# KiCad board slime88.kicad_pcb (continued)
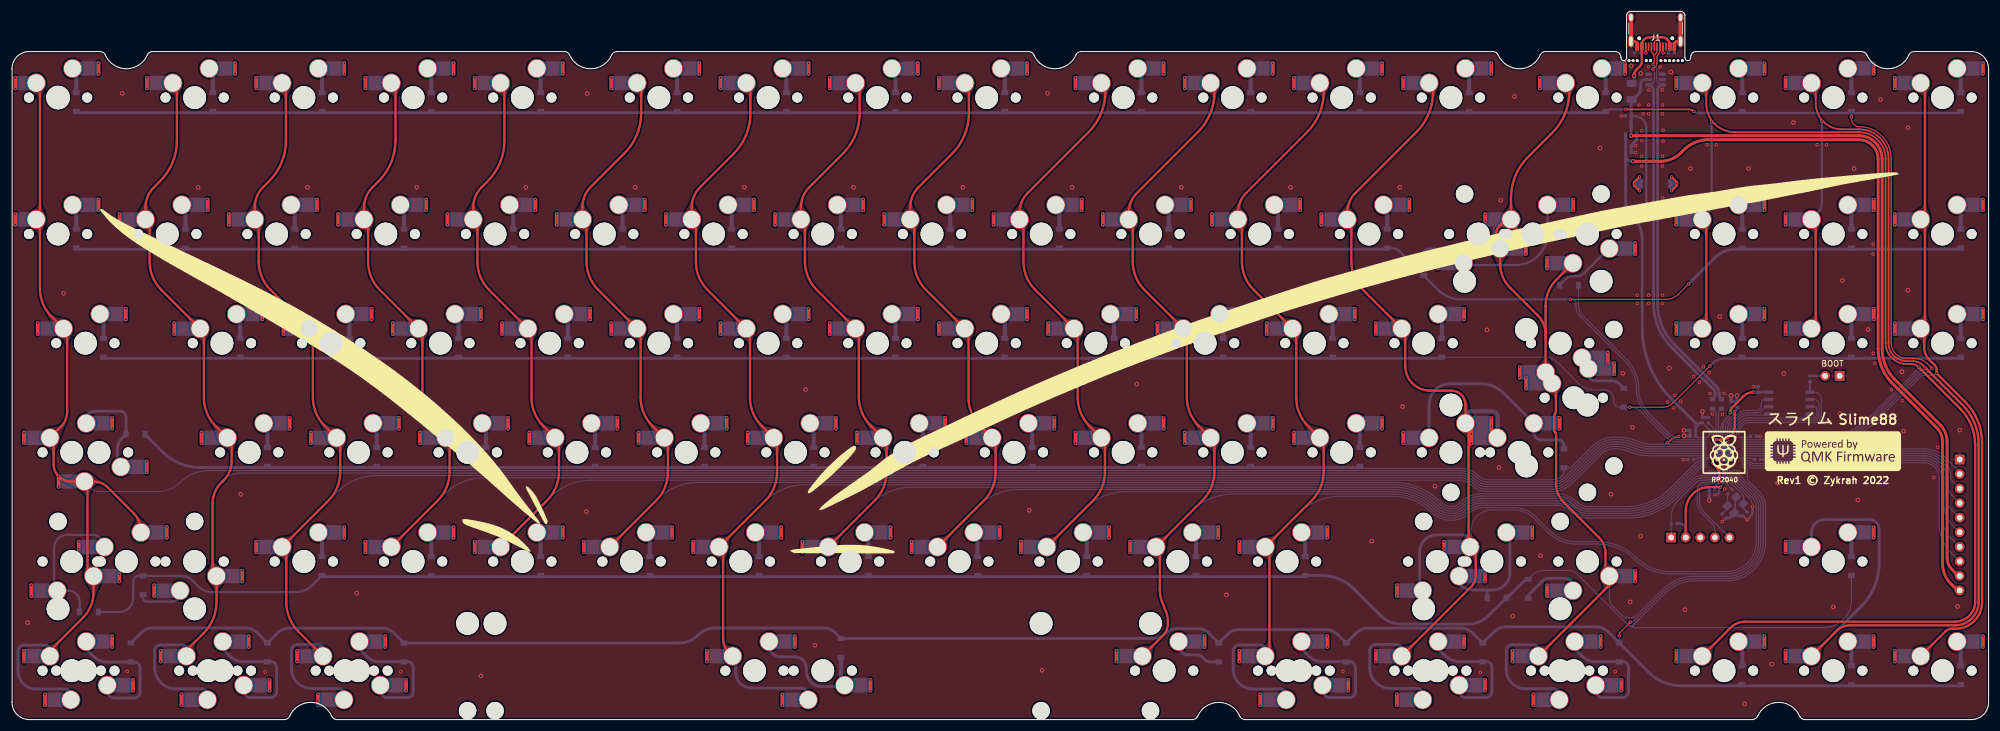
[diagram p0: board, top side]
## Copper pours and planes (outline as drawn; the poured copper is in the pictures) (continued)
COL12 on Top: 233.11,90.59 232.92,90.22 232.74,89.91 232.57,89.66 232.41,89.45 232.24,89.26 232.08,89.07 231.92,88.87 231.74,88.65 231.56,88.39 231.37,88.07 232.77,86.44 234.34,87.9 234.19,88.2 234.02,88.47 233.84,88.7 233.67,88.91 233.52,89.12 233.4,89.33 233.33,89.55 233.3,89.8 233.35,90.09 233.48,90.42
COL12 on Top: 243.15,65.02 243.17,65.45 243.22,65.81 243.31,66.12 243.41,66.38 243.52,66.62 243.64,66.86 243.76,67.11 243.86,67.38 243.93,67.7 243.99,68.09 242.04,68.98 241.22,67 241.46,66.8 241.69,66.63 241.91,66.48 242.11,66.34 242.29,66.2 242.44,66.04 242.57,65.86 242.66,65.63 242.72,65.36 242.75,65.02
COL12 on Bottom: 255.09,51.37 255.24,51.18 255.3,51.02 255.28,50.86 255.2,50.71 255.08,50.56 254.93,50.41 254.77,50.26 254.61,50.09 254.46,49.91 254.33,49.71 255.46,48.54 256.34,50.05 256.19,50.23 256.1,50.4 256.05,50.57 256.02,50.75 256,50.92 255.98,51.1 255.94,51.28 255.88,51.47 255.76,51.66 255.59,51.86
COL12 on Bottom: 258.74,52.47 258.72,52.09 258.67,51.78 258.59,51.52 258.49,51.29 258.36,51.09 258.22,50.9 258.07,50.7 257.9,50.49 257.73,50.24 257.56,49.95 258.97,48.34 260.53,49.82 260.37,50.13 260.22,50.4 260.07,50.63 259.93,50.83 259.79,51.04 259.68,51.25 259.58,51.48 259.5,51.75 259.45,52.08 259.44,52.47
COL12 on Bottom: 244.16,5.18 244.33,5.16 244.45,5.1 244.53,5.01 244.57,4.89 244.59,4.75 244.58,4.59 244.55,4.42 244.5,4.25 244.45,4.07 244.41,3.9 246.13,2.63 245.99,5.09 245.76,5.11 245.57,5.16 245.4,5.22 245.26,5.3 245.12,5.39 244.98,5.47 244.82,5.55 244.64,5.62 244.42,5.66 244.16,5.68
COL12 on Bottom: 255.81,50.07 255.81,50.28 255.82,50.45 255.84,50.6 255.86,50.74 255.89,50.86 255.92,50.98 255.99,51.23 256.02,51.37 256.06,51.54 255.15,52.1 254.62,51.17 254.8,50.97 254.87,50.88 254.93,50.8 254.99,50.71 255.03,50.61 255.06,50.5 255.09,50.38 255.1,50.24 255.11,50.07
COL12 on Bottom: 245.21,25.71 245.19,25.28 245.13,24.93 245.05,24.63 244.95,24.37 244.84,24.13 244.73,23.9 244.61,23.66 244.51,23.38 244.42,23.07 244.35,22.69 246.26,21.71 247.16,23.66 246.93,23.87 246.71,24.05 246.5,24.21 246.31,24.36 246.14,24.51 245.99,24.67 245.87,24.86 245.78,25.09 245.72,25.37 245.71,25.71
COL12 on Bottom: 256.65,50.8 256.65,50.6 256.64,50.42 256.62,50.28 256.6,50.14 256.57,50.02 256.54,49.91 256.46,49.66 256.42,49.52 256.38,49.35 257.27,48.76 257.83,49.68 257.66,49.89 257.59,49.98 257.53,50.07 257.47,50.16 257.43,50.26 257.4,50.36 257.37,50.49 257.36,50.63 257.35,50.8
COL12 on Bottom: 240.65,12.85 240.81,12.83 240.92,12.77 240.99,12.68 241.02,12.57 241.02,12.43 241,12.28 240.96,12.12 240.91,11.96 240.85,11.8 240.79,11.64 242.42,10.24 242.34,12.72 242.12,12.73 241.95,12.78 241.8,12.85 241.66,12.94 241.54,13.03 241.41,13.13 241.26,13.21 241.1,13.28 240.9,13.33 240.65,13.35
COL12 on Bottom: 252.47,31.99 252.65,31.96 252.78,31.9 252.85,31.8 252.89,31.67 252.9,31.51 252.88,31.34 252.83,31.15 252.78,30.96 252.67,30.59 254.38,29.3 254.25,31.76 254.02,31.79 253.83,31.84 253.67,31.92 253.53,32.02 253.4,32.13 253.26,32.23 253.11,32.33 252.94,32.41 252.73,32.47 252.47,32.49
COL12 on Bottom: 257.35,49.49 257.2,49.68 257.15,49.85 257.17,50.01 257.24,50.16 257.37,50.3 257.52,50.45 257.68,50.61 257.85,50.78 258,50.96 258.13,51.16 257,52.33 256.12,50.82 256.27,50.64 256.36,50.47 256.41,50.29 256.44,50.12 256.45,49.95 256.47,49.77 256.5,49.59 256.57,49.4 256.68,49.2 256.85,49
COL12 on Bottom: 255.24,54.15 254.98,54.13 254.76,54.07 254.59,53.98 254.44,53.87 254.3,53.75 254.17,53.63 254.03,53.53 253.87,53.44 253.68,53.38 253.45,53.36 253.19,50.92 255.09,51.92 255.05,52.12 255,52.33 254.94,52.54 254.88,52.75 254.84,52.93 254.83,53.1 254.85,53.24 254.92,53.35 255.05,53.42 255.24,53.45
COL12 on Bottom: 254.76,34.76 254.48,34.25 254.26,33.82 254.08,33.44 253.93,33.1 253.8,32.79 253.66,32.48 253.51,32.17 253.34,31.82 253.12,31.44 252.85,31 254.15,29.3 255.8,30.66 255.6,31.14 255.38,31.57 255.16,31.95 254.95,32.3 254.77,32.64 254.63,32.98 254.57,33.34 254.58,33.73 254.7,34.16 254.94,34.66
COL13 on Top: 259,84.68 259.02,85.01 259.11,85.26 259.26,85.44 259.47,85.56 259.71,85.64 259.99,85.67 260.3,85.68 260.62,85.67 260.95,85.64 261.28,85.62 262.15,87.58 259.74,87.2 259.72,86.87 259.64,86.6 259.51,86.37 259.34,86.17 259.17,85.99 258.99,85.8 258.83,85.59 258.7,85.34 258.62,85.04 258.6,84.66
COL13 on Top: 261.19,90.56 261.17,90.16 261.11,89.85 261.02,89.58 260.9,89.36 260.76,89.16 260.6,88.97 260.43,88.77 260.25,88.55 260.08,88.3 259.91,87.98 261.39,86.44 262.88,87.98 262.7,88.3 262.53,88.55 262.35,88.77 262.18,88.97 262.02,89.16 261.88,89.36 261.76,89.58 261.67,89.85 261.61,90.16 261.59,90.56
COL13 on Top: 267.22,61.56 267.22,61.16 267.19,60.83 267.15,60.54 267.1,60.29 267.05,60.06 267,59.84 266.96,59.6 266.92,59.34 266.89,59.04 266.88,58.69 269.09,58.08 269.15,60.22 268.9,60.31 268.67,60.39 268.45,60.47 268.25,60.55 268.07,60.64 267.92,60.75 267.8,60.89 267.7,61.06 267.65,61.29 267.62,61.56
COL13 on Top: 269.42,55.54 269.44,55.98 269.5,56.34 269.58,56.65 269.68,56.92 269.79,57.17 269.9,57.41 270.01,57.66 270.09,57.94 270.16,58.27 270.18,58.66 268.19,59.44 267.49,57.42 267.73,57.23 267.96,57.08 268.18,56.94 268.38,56.81 268.57,56.68 268.72,56.53 268.85,56.35 268.94,56.14 269,55.87 269.02,55.54
COL13 on Top: 267.22,63.89 267.2,63.5 267.14,63.18 267.05,62.91 266.93,62.69 266.79,62.49 266.63,62.3 266.46,62.11 266.29,61.89 266.11,61.63 265.94,61.32 267.42,59.77 268.91,61.31 268.74,61.62 268.56,61.88 268.39,62.1 268.22,62.3 268.06,62.49 267.92,62.69 267.8,62.91 267.71,63.18 267.65,63.5 267.62,63.89
COL13 on Top: 268.34,13.53 268.05,13.27 267.78,13.09 267.53,12.97 267.29,12.89 267.04,12.85 266.8,12.83 266.54,12.81 266.26,12.78 265.95,12.72 265.61,12.62 265.57,10.48 267.71,10.52 267.81,10.86 267.87,11.17 267.9,11.45 267.92,11.71 267.94,11.96 267.98,12.2 268.05,12.44 268.18,12.69 268.36,12.96 268.62,13.25
COL13 on Top: 261.93,84.81 261.91,84.47 261.82,84.21 261.66,84.02 261.46,83.89 261.21,83.82 260.92,83.78 260.61,83.77 260.28,83.78 259.94,83.8 259.61,83.83 258.72,81.88 261.13,82.25 261.16,82.59 261.24,82.86 261.38,83.09 261.55,83.29 261.74,83.48 261.92,83.67 262.09,83.88 262.23,84.13 262.31,84.44 262.33,84.82
COL13 on Top: 277.68,28.21 277.65,27.77 277.6,27.4 277.52,27.1 277.41,26.83 277.3,26.59 277.19,26.35 277.08,26.1 276.99,25.82 276.92,25.49 276.89,25.1 278.86,24.28 279.61,26.29 279.37,26.48 279.13,26.64 278.91,26.78 278.71,26.91 278.53,27.05 278.38,27.2 278.25,27.38 278.16,27.6 278.1,27.87 278.07,28.21
COL13 on Top: 259.9,78 259.79,78.48 259.76,78.89 259.78,79.25 259.86,79.56 259.99,79.85 260.15,80.12 260.34,80.41 260.54,80.72 260.76,81.06 260.97,81.47 259.49,83.01 258,81.47 258.21,81.04 258.4,80.68 258.56,80.36 258.71,80.08 258.84,79.8 258.97,79.51 259.1,79.2 259.23,78.83 259.37,78.4 259.52,77.89
COL13 on Top: 261.63,83.12 261.9,83.43 262.06,83.74 262.13,84.04 262.14,84.34 262.12,84.63 262.09,84.92 262.09,85.21 262.14,85.49 262.27,85.78 262.51,86.05 261.02,88 260.39,85.95 260.68,85.73 260.95,85.5 261.21,85.26 261.43,85.01 261.61,84.76 261.72,84.5 261.77,84.23 261.73,83.96 261.6,83.69 261.36,83.41
COL13 on Top: 271.61,107.83 271.69,108.25 271.78,108.6 271.88,108.89 271.98,109.15 272.09,109.38 272.19,109.61 272.29,109.85 272.38,110.12 272.47,110.43 272.54,110.81 270.6,111.84 269.82,109.84 270.06,109.65 270.29,109.48 270.51,109.33 270.71,109.19 270.89,109.05 271.04,108.89 271.15,108.7 271.22,108.48 271.25,108.22 271.22,107.89
COL13 on Top: 270,77.18 270.29,77.44 270.56,77.62 270.81,77.74 271.05,77.82 271.29,77.86 271.54,77.88 271.8,77.9 272.08,77.93 272.39,77.99 272.73,78.09 272.77,80.23 270.63,80.19 270.53,79.85 270.47,79.54 270.44,79.26 270.42,79 270.4,78.75 270.36,78.51 270.28,78.27 270.16,78.02 269.98,77.75 269.72,77.46
COL13 on Top: 269.42,57.9 269.41,58.27 269.39,58.58 269.35,58.85 269.3,59.08 269.24,59.29 269.19,59.51 269.14,59.73 269.1,59.97 269.08,60.25 269.07,60.58 267.07,61.34 266.39,59.31 266.71,59.11 267.06,58.99 267.41,58.92 267.76,58.88 268.09,58.85 268.39,58.8 268.65,58.71 268.85,58.54 268.98,58.28 269.02,57.9
COL13 on Top: 277.45,22.08 277.73,22.35 277.99,22.57 278.21,22.74 278.42,22.89 278.62,23.02 278.81,23.14 279.01,23.28 279.22,23.43 279.45,23.63 279.7,23.87 278.57,25.86 277.02,24.37 277.13,24.14 277.24,23.92 277.35,23.71 277.43,23.52 277.5,23.33 277.53,23.14 277.52,22.95 277.46,22.76 277.34,22.57 277.16,22.36
COL13 on Top: 259.3,86.37 259.03,86.05 258.86,85.74 258.79,85.44 258.77,85.13 258.78,84.84 258.8,84.54 258.8,84.25 258.74,83.96 258.61,83.68 258.37,83.4 259.83,81.44 260.53,83.46 260.25,83.7 259.97,83.94 259.71,84.19 259.49,84.44 259.31,84.7 259.2,84.97 259.15,85.24 259.19,85.51 259.33,85.79 259.57,86.07
COL13 on Bottom: 258.27,85.14 258.25,84.73 258.22,84.38 258.17,84.09 258.11,83.83 258.05,83.6 257.99,83.36 257.93,83.12 257.88,82.86 257.85,82.55 257.84,82.19 259.99,81.54 260.21,83.67 259.96,83.78 259.72,83.88 259.5,83.97 259.3,84.06 259.12,84.16 258.96,84.28 258.84,84.43 258.74,84.61 258.69,84.85 258.67,85.14
COL13 on Bottom: 262.62,84.32 262.63,84.73 262.66,85.07 262.71,85.36 262.76,85.62 262.83,85.86 262.89,86.09 262.95,86.33 263,86.6 263.03,86.9 263.04,87.27 260.88,87.91 260.67,85.78 260.92,85.67 261.16,85.57 261.38,85.48 261.58,85.39 261.76,85.29 261.92,85.17 262.04,85.03 262.14,84.84 262.19,84.61 262.22,84.32
COL13 on Bottom: 262.22,84.53 262.2,84.2 262.17,83.93 262.12,83.69 262.06,83.49 262,83.3 261.94,83.12 261.88,82.93 261.83,82.72 261.8,82.47 261.79,82.19 263.34,81.64 263.74,83.21 263.56,83.33 263.39,83.43 263.22,83.52 263.08,83.61 262.94,83.71 262.83,83.81 262.74,83.94 262.67,84.1 262.63,84.29 262.62,84.53
COL13 on Bottom: 267.93,5.13 268.09,5.11 268.22,5.05 268.3,4.96 268.35,4.85 268.37,4.71 268.36,4.55 268.34,4.39 268.3,4.21 268.25,4.04 268.21,3.87 269.96,2.63 269.8,5.09 269.57,5.11 269.37,5.15 269.2,5.21 269.05,5.28 268.91,5.36 268.76,5.44 268.6,5.52 268.41,5.58 268.19,5.62 267.93,5.63
COL13 on Bottom: 264.42,12.8 264.57,12.78 264.68,12.73 264.75,12.64 264.79,12.53 264.8,12.39 264.78,12.25 264.75,12.09 264.7,11.93 264.65,11.77 264.6,11.61 266.25,10.25 266.15,12.72 265.93,12.73 265.75,12.78 265.59,12.84 265.46,12.92 265.33,13.01 265.19,13.1 265.04,13.18 264.87,13.24 264.67,13.29 264.42,13.3
COL13 on Bottom: 258.67,84.93 258.68,85.26 258.71,85.53 258.76,85.76 258.81,85.96 258.88,86.15 258.94,86.33 259,86.52 259.05,86.73 259.08,86.98 259.09,87.27 257.53,87.81 257.14,86.23 257.32,86.11 257.5,86.01 257.66,85.92 257.81,85.84 257.94,85.74 258.05,85.64 258.14,85.51 258.21,85.36 258.25,85.16 258.27,84.93
COL13 on Bottom: 278.63,21.75 278.66,22.14 278.72,22.46 278.83,22.72 278.96,22.94 279.11,23.14 279.29,23.32 279.47,23.52 279.66,23.74 279.84,24 280.02,24.32 278.54,25.86 277.05,24.32 277.23,24 277.41,23.74 277.6,23.52 277.78,23.32 277.96,23.14 278.11,22.94 278.24,22.72 278.35,22.46 278.41,22.14 278.44,21.75
COL14 on Top: 295.6,107.94 295.62,108.38 295.68,108.75 295.76,109.06 295.87,109.33 295.99,109.57 296.1,109.82 296.21,110.07 296.3,110.35 296.36,110.68 296.38,111.07 294.37,111.82 293.7,109.78 293.95,109.6 294.19,109.45 294.42,109.32 294.63,109.2 294.82,109.07 294.98,108.92 295.11,108.75 295.21,108.54 295.27,108.27 295.3,107.94
COL14 on Top: 295.65,84.13 295.67,84.57 295.72,84.93 295.8,85.24 295.9,85.52 296.01,85.76 296.12,86.01 296.22,86.26 296.3,86.54 296.36,86.87 296.38,87.26 294.37,88.01 293.7,85.97 293.95,85.79 294.18,85.64 294.4,85.51 294.61,85.38 294.79,85.25 294.94,85.11 295.07,84.93 295.16,84.72 295.22,84.45 295.25,84.13
COL14 on Top: 296.91,13.53 296.62,13.27 296.35,13.09 296.1,12.97 295.86,12.89 295.62,12.85 295.37,12.83 295.11,12.81 294.83,12.78 294.53,12.72 294.19,12.62 294.14,10.48 296.29,10.52 296.39,10.86 296.44,11.17 296.47,11.45 296.49,11.71 296.52,11.96 296.56,12.2 296.63,12.44 296.75,12.69 296.93,12.96 297.2,13.25
COL14 on Top: 295.25,71.35 295.22,71.03 295.16,70.76 295.07,70.55 294.94,70.37 294.79,70.23 294.61,70.1 294.4,69.97 294.18,69.84 293.95,69.69 293.7,69.51 294.37,67.47 296.38,68.22 296.36,68.61 296.3,68.94 296.22,69.22 296.12,69.47 296.01,69.72 295.9,69.96 295.8,70.24 295.72,70.55 295.67,70.91 295.65,71.35
COL14 on Bottom: 296.16,90.05 296.12,89.72 296.02,89.48 295.87,89.31 295.68,89.19 295.46,89.11 295.2,89.06 294.93,89.01 294.64,88.95 294.34,88.88 294.04,88.76 294.2,86.63 296.38,87.21 296.39,87.55 296.41,87.85 296.43,88.1 296.45,88.34 296.49,88.79 296.51,89.03 296.53,89.32 296.55,89.64 296.56,90.03
COL15 on Top: 315.96,13.53 315.67,13.27 315.4,13.09 315.15,12.97 314.91,12.89 314.67,12.85 314.42,12.83 314.16,12.81 313.88,12.78 313.58,12.72 313.24,12.62 313.19,10.48 315.34,10.52 315.44,10.86 315.49,11.17 315.52,11.45 315.54,11.71 315.57,11.96 315.61,12.2 315.68,12.44 315.8,12.69 315.98,12.96 316.25,13.25
COL15 on Top: 314.73,84.14 314.74,84.58 314.8,84.94 314.88,85.25 314.97,85.52 315.08,85.77 315.18,86.01 315.28,86.27 315.35,86.55 315.41,86.88 315.43,87.27 313.41,88 312.78,85.95 313.02,85.78 313.26,85.63 313.48,85.5 313.69,85.38 313.87,85.25 314.02,85.11 314.15,84.93 314.24,84.72 314.3,84.46 314.32,84.14
COL15 on Top: 314.68,107.95 314.7,108.39 314.75,108.76 314.84,109.06 314.94,109.33 315.05,109.58 315.16,109.82 315.26,110.07 315.35,110.36 315.41,110.69 315.43,111.08 313.41,111.81 312.78,109.77 313.03,109.59 313.27,109.44 313.5,109.31 313.71,109.19 313.9,109.07 314.06,108.92 314.19,108.75 314.29,108.54 314.35,108.28 314.38,107.95
COL15 on Top: 314.32,71.34 314.3,71.02 314.24,70.76 314.15,70.55 314.02,70.37 313.87,70.23 313.69,70.1 313.48,69.98 313.26,69.85 313.02,69.7 312.78,69.53 313.41,67.48 315.43,68.22 315.41,68.6 315.35,68.93 315.28,69.21 315.18,69.47 315.08,69.71 314.97,69.96 314.88,70.23 314.8,70.54 314.74,70.9 314.73,71.34
COL15 on Bottom: 315.37,89.98 315.3,89.66 315.18,89.42 315.02,89.25 314.82,89.15 314.59,89.08 314.34,89.03 314.06,89 313.76,88.96 313.46,88.89 313.15,88.79 313.23,86.65 315.42,87.06 315.77,89.94
COL15 on Bottom: 314.17,34.3 313.87,33.93 313.65,33.59 313.5,33.28 313.39,32.98 313.31,32.7 313.22,32.42 313.13,32.14 313,31.85 312.81,31.54 312.55,31.21 313.78,29.29 315.26,30.83 315.06,31.2 314.85,31.53 314.63,31.85 314.43,32.14 314.27,32.43 314.15,32.71 314.11,33 314.14,33.3 314.28,33.62 314.54,33.96
COL15 on Bottom: 315.93,13.57 315.64,13.31 315.37,13.12 315.13,13 314.89,12.92 314.65,12.87 314.41,12.84 314.15,12.82 313.88,12.78 313.57,12.72 313.24,12.62 313.19,10.48 315.34,10.52 315.44,10.86 315.5,11.16 315.53,11.44 315.56,11.69 315.59,11.94 315.63,12.17 315.71,12.41 315.83,12.66 316.02,12.93 316.28,13.21
COL16 on Top: 333.78,107.95 333.79,108.39 333.85,108.75 333.93,109.06 334.02,109.33 334.13,109.58 334.23,109.82 334.33,110.08 334.4,110.36 334.46,110.69 334.48,111.08 332.46,111.81 331.83,109.77 332.07,109.59 332.31,109.44 332.53,109.32 332.74,109.19 332.92,109.06 333.07,108.92 333.2,108.75 333.29,108.54 333.35,108.27 333.38,107.95
COL16 on Top: 333.78,84.14 333.79,84.58 333.85,84.94 333.93,85.25 334.02,85.52 334.13,85.77 334.23,86.01 334.33,86.27 334.4,86.55 334.46,86.88 334.48,87.27 332.46,88 331.83,85.95 332.07,85.78 332.31,85.63 332.53,85.5 332.74,85.38 332.92,85.25 333.07,85.11 333.2,84.93 333.29,84.72 333.35,84.46 333.38,84.14
COL16 on Top: 333.38,71.34 333.35,71.02 333.29,70.76 333.2,70.55 333.07,70.37 332.92,70.23 332.74,70.1 332.53,69.98 332.31,69.85 332.07,69.7 331.83,69.53 332.46,67.48 334.48,68.22 334.46,68.6 334.4,68.93 334.33,69.21 334.23,69.47 334.13,69.71 334.02,69.96 333.93,70.23 333.85,70.54 333.79,70.9 333.78,71.34
COL16 on Top: 335.01,13.53 334.72,13.27 334.45,13.09 334.2,12.97 333.96,12.89 333.72,12.85 333.47,12.83 333.21,12.81 332.93,12.78 332.63,12.72 332.29,12.62 332.24,10.48 334.39,10.52 334.49,10.86 334.54,11.17 334.57,11.45 334.59,11.71 334.62,11.96 334.66,12.2 334.73,12.44 334.85,12.69 335.03,12.96 335.3,13.25
COL16 on Top: 333.38,90.39 333.35,90.06 333.29,89.8 333.2,89.59 333.07,89.42 332.92,89.28 332.74,89.15 332.53,89.03 332.31,88.9 332.08,88.75 331.83,88.58 332.45,86.53 334.48,87.27 334.46,87.65 334.4,87.98 334.33,88.26 334.23,88.52 334.13,88.76 334.02,89.01 333.93,89.28 333.85,89.58 333.79,89.95 333.78,90.39
COL16 on Top: 333.65,65.03 333.67,65.46 333.72,65.82 333.81,66.13 333.91,66.39 334.02,66.63 334.14,66.87 334.25,67.12 334.35,67.39 334.43,67.72 334.47,68.1 332.52,68.98 331.72,66.99 331.96,66.79 332.19,66.62 332.41,66.48 332.61,66.34 332.79,66.2 332.94,66.04 333.07,65.86 333.16,65.64 333.22,65.37 333.25,65.03
GPIO4 on Bottom: 338.57,44.13 338.69,44 338.77,43.87 338.82,43.75 338.84,43.64 338.85,43.52 338.84,43.4 338.8,43.14 338.78,42.99 338.78,42.82 339.82,42.46 340.14,43.52 339.98,43.63 339.83,43.71 339.69,43.77 339.56,43.81 339.43,43.84 339.3,43.89 339.16,43.94 339.02,44.02 338.87,44.12 338.71,44.27
GPIO5 on Bottom: 338.36,41.43 338.5,41.28 338.59,41.14 338.65,41.01 338.69,40.89 338.71,40.76 338.72,40.63 338.73,40.5 338.75,40.36 338.78,40.2 338.83,40.02 339.93,40 339.91,41.11 339.73,41.16 339.58,41.19 339.43,41.2 339.3,41.21 339.17,41.22 339.05,41.24 338.92,41.28 338.79,41.34 338.66,41.43 338.51,41.57
GPIO6 on Bottom: 338.36,38.89 338.5,38.74 338.59,38.6 338.65,38.47 338.69,38.35 338.71,38.22 338.72,38.09 338.73,37.96 338.75,37.82 338.78,37.66 338.83,37.48 339.93,37.46 339.91,38.57 339.73,38.62 339.58,38.65 339.43,38.66 339.3,38.67 339.17,38.68 339.05,38.7 338.92,38.74 338.79,38.8 338.66,38.89 338.51,39.03
GPIO7 on Bottom: 338.36,36.35 338.5,36.2 338.59,36.06 338.65,35.93 338.69,35.81 338.71,35.68 338.72,35.55 338.73,35.42 338.75,35.28 338.78,35.12 338.83,34.94 339.93,34.92 339.91,36.03 339.73,36.08 339.58,36.11 339.43,36.12 339.3,36.13 339.17,36.14 339.05,36.16 338.92,36.2 338.79,36.26 338.66,36.35 338.51,36.49
GPIO8 on Bottom: 338.36,33.81 338.5,33.66 338.59,33.52 338.65,33.39 338.69,33.27 338.71,33.14 338.72,33.01 338.73,32.88 338.75,32.74 338.78,32.58 338.83,32.4 339.93,32.38 339.91,33.49 339.73,33.54 339.58,33.57 339.43,33.58 339.3,33.59 339.17,33.6 339.05,33.62 338.92,33.66 338.79,33.72 338.66,33.81 338.51,33.95
GPIO9 on Bottom: 338.36,31.27 338.5,31.12 338.59,30.98 338.65,30.85 338.69,30.73 338.71,30.6 338.72,30.47 338.73,30.34 338.75,30.2 338.78,30.04 338.83,29.86 339.93,29.84 339.91,30.95 339.73,31 339.58,31.03 339.43,31.04 339.3,31.05 339.17,31.06 339.05,31.08 338.92,31.12 338.79,31.18 338.66,31.27 338.51,31.41
GPIO10 on Bottom: 338.36,28.73 338.5,28.58 338.59,28.44 338.65,28.31 338.69,28.19 338.71,28.06 338.72,27.93 338.73,27.8 338.75,27.66 338.78,27.5 338.83,27.32 339.93,27.3 339.91,28.41 339.73,28.46 339.58,28.49 339.43,28.5 339.3,28.51 339.17,28.52 339.05,28.54 338.92,28.58 338.79,28.64 338.66,28.73 338.51,28.87
ROW1 on Bottom: 241,82.43 240.86,82.46 240.74,82.48 240.54,82.51 240.45,82.53 240.37,82.55 240.29,82.57 240.2,82.6 240.1,82.64 240,82.69 239.57,82.28 240,81.88 240.18,81.97 240.26,82 240.34,82.03 240.41,82.06 240.49,82.07 240.58,82.08 240.68,82.07 240.79,82.06 240.91,82.04
ROW2 on Bottom: 279.84,54.51 279.98,54.44 280.1,54.39 280.2,54.35 280.29,54.32 280.47,54.26 280.56,54.23 280.65,54.2 280.76,54.15 280.88,54.09 281.3,54.5 280.88,54.91 280.77,54.85 280.67,54.79 280.59,54.74 280.5,54.69 280.42,54.65 280.34,54.62 280.25,54.61 280.16,54.61 280.05,54.64 279.92,54.69
ROW3 on Bottom: 271.76,44.11 271.64,44.06 271.54,44.03 271.44,44.03 271.35,44.04 271.27,44.07 271.19,44.11 271.11,44.16 271.02,44.21 270.93,44.27 270.82,44.33 270.4,43.92 270.82,43.52 270.94,43.57 271.05,43.62 271.14,43.65 271.23,43.68 271.4,43.74 271.49,43.77 271.59,43.81 271.71,43.86 271.85,43.93
ROW3 on Bottom: 270.6,42.7 270.67,42.83 270.72,42.95 270.76,43.05 270.79,43.14 270.85,43.31 270.87,43.39 270.91,43.48 270.96,43.58 271.02,43.7 270.62,44.15 270.22,43.72 270.28,43.62 270.33,43.52 270.39,43.44 270.44,43.36 270.48,43.28 270.5,43.2 270.52,43.11 270.51,43.02 270.48,42.92 270.42,42.8
ROW4 on Bottom: 21.78,24.8 21.88,24.84 21.98,24.87 22.07,24.88 22.14,24.88 22.22,24.86 22.29,24.83 22.36,24.8 22.52,24.72 22.61,24.67 23.03,25.08 22.61,25.48 22.5,25.43 22.4,25.4 22.31,25.37 22.22,25.35 22.05,25.32 21.96,25.29 21.85,25.26 21.74,25.22 21.6,25.16
ROW4 on Bottom: 261.1,21.95 261.03,21.89 260.97,21.84 260.92,21.8 260.87,21.76 260.82,21.74 260.77,21.72 260.71,21.7 260.66,21.69 260.59,21.68 260.52,21.67 260.37,21.11 260.94,20.98 261.07,21.17 261.11,21.23 261.15,21.28 261.2,21.33 261.25,21.39 261.3,21.45 261.37,21.52 261.45,21.6
SWCLK on Bottom: 298.21,32.89 298.34,32.74 298.44,32.61 298.5,32.48 298.54,32.35 298.56,32.23 298.57,32.1 298.58,31.97 298.59,31.82 298.62,31.67 298.67,31.49 299.78,31.47 299.75,32.57 299.58,32.62 299.42,32.65 299.28,32.67 299.14,32.68 299.02,32.69 298.89,32.71 298.77,32.75 298.64,32.81 298.5,32.9 298.35,33.04
SWD on Bottom: 296.75,33.52 296.8,33.33 296.82,33.17 296.8,33.04 296.76,32.92 296.69,32.81 296.6,32.7 296.5,32.6 296.4,32.48 296.3,32.35 296.2,32.19 296.9,31.35 297.72,32.09 297.64,32.28 297.56,32.43 297.49,32.57 297.41,32.69 297.34,32.8 297.26,32.92 297.19,33.05 297.11,33.19 297.02,33.37 296.93,33.59
XTAL_IN on Bottom: 302.25,36.64 302.18,36.71 302.15,36.79 302.14,36.86 302.15,36.93 302.17,36.99 302.21,37.06 302.26,37.13 302.31,37.21 302.36,37.29 302.4,37.38 301.86,37.94 301.44,37.21 301.52,37.13 301.59,37.05 301.65,36.99 301.87,36.75 301.93,36.67 302.01,36.59 302.11,36.5
XTAL_IN on Bottom: 301.69,39.2 301.79,39.07 301.86,38.95 301.88,38.83 301.87,38.72 301.83,38.6 301.76,38.49 301.68,38.37 301.59,38.25 301.49,38.13 301.39,38 301.8,37.34 302.28,38.07 302.17,38.19 302.11,38.32 302.08,38.44 302.07,38.56 302.07,38.69 302.07,38.81 302.05,38.94 302.02,39.07 301.94,39.21 301.82,39.34
~{RESET} on Bottom: 289.21,33.46 289.2,33.26 289.17,33.1 289.13,32.96 289.06,32.85 288.99,32.74 288.91,32.65 288.82,32.55 288.73,32.43 288.64,32.3 288.55,32.14 289.31,31.34 290.08,32.14 289.99,32.3 289.9,32.43 289.81,32.55 289.72,32.65 289.64,32.74 289.57,32.85 289.5,32.96 289.46,33.1 289.43,33.26 289.41,33.46
Net-(D1-Pad2) on Bottom: 11.55,110.44 11.57,110.87 11.61,111.24 11.68,111.54 11.76,111.81 11.85,112.06 11.95,112.3 12.04,112.55 12.11,112.83 12.17,113.15 12.21,113.52 10.25,114.38 9.47,112.38 9.7,112.19 9.91,112.03 10.11,111.88 10.29,111.74 10.45,111.6 10.59,111.44 10.7,111.26 10.78,111.04 10.83,110.77 10.85,110.44
Net-(D2-Pad2) on Bottom: 35.36,110.44 35.38,110.87 35.42,111.24 35.49,111.54 35.57,111.81 35.66,112.06 35.76,112.3 35.85,112.55 35.93,112.83 35.99,113.15 36.02,113.52 34.06,114.38 33.28,112.38 33.51,112.19 33.73,112.03 33.92,111.88 34.1,111.74 34.26,111.6 34.4,111.44 34.51,111.26 34.59,111.04 34.64,110.77 34.66,110.44
Net-(D3-Pad2) on Bottom: 54.41,110.44 54.43,110.87 54.47,111.24 54.54,111.54 54.62,111.81 54.71,112.06 54.81,112.3 54.9,112.55 54.98,112.83 55.04,113.15 55.07,113.52 53.11,114.38 52.33,112.38 52.56,112.19 52.78,112.03 52.97,111.88 53.15,111.74 53.31,111.6 53.45,111.44 53.56,111.26 53.64,111.04 53.69,110.77 53.71,110.44
Net-(D4-Pad2) on Bottom: 73.46,110.44 73.48,110.87 73.52,111.24 73.59,111.54 73.67,111.81 73.76,112.06 73.86,112.3 73.95,112.55 74.03,112.83 74.09,113.15 74.12,113.52 72.16,114.38 71.38,112.38 71.61,112.19 71.83,112.03 72.02,111.88 72.2,111.74 72.36,111.6 72.5,111.44 72.61,111.26 72.69,111.04 72.74,110.77 72.76,110.44
Net-(D5-Pad2) on Bottom: 92.51,110.44 92.53,110.87 92.57,111.24 92.64,111.54 92.72,111.81 92.81,112.06 92.91,112.3 93,112.55 93.08,112.83 93.14,113.15 93.17,113.52 91.21,114.38 90.43,112.38 90.66,112.19 90.88,112.03 91.07,111.88 91.25,111.74 91.41,111.6 91.55,111.44 91.66,111.26 91.74,111.04 91.79,110.77 91.81,110.44
Net-(D6-Pad2) on Bottom: 116.33,110.44 116.34,110.87 116.39,111.23 116.45,111.54 116.54,111.81 116.63,112.06 116.72,112.3 116.81,112.55 116.89,112.83 116.95,113.15 116.99,113.52 115.02,114.38 114.24,112.38 114.47,112.19 114.69,112.03 114.89,111.88 115.07,111.74 115.23,111.6 115.36,111.44 115.47,111.25 115.56,111.03 115.61,110.77 115.63,110.44
Net-(D7-Pad2) on Bottom: 135.38,110.44 135.39,110.87 135.44,111.23 135.5,111.54 135.59,111.81 135.68,112.06 135.77,112.3 135.86,112.55 135.94,112.83 136,113.15 136.04,113.52 134.07,114.38 133.29,112.38 133.52,112.19 133.74,112.03 133.94,111.88 134.12,111.74 134.28,111.6 134.41,111.44 134.52,111.25 134.61,111.03 134.66,110.77 134.68,110.44
Net-(D8-Pad2) on Bottom: 154.43,110.44 154.44,110.87 154.49,111.23 154.55,111.54 154.64,111.81 154.73,112.06 154.82,112.3 154.91,112.55 154.99,112.83 155.05,113.15 155.09,113.52 153.12,114.38 152.34,112.38 152.57,112.19 152.79,112.03 152.99,111.88 153.17,111.74 153.33,111.6 153.46,111.44 153.57,111.25 153.66,111.03 153.71,110.77 153.73,110.44
Net-(D9-Pad2) on Bottom: 173.48,110.44 173.49,110.87 173.54,111.23 173.6,111.54 173.69,111.81 173.78,112.06 173.87,112.3 173.96,112.55 174.04,112.83 174.1,113.15 174.14,113.52 172.17,114.38 171.39,112.38 171.62,112.19 171.84,112.03 172.04,111.88 172.22,111.74 172.38,111.6 172.51,111.44 172.62,111.25 172.71,111.03 172.76,110.77 172.77,110.44
Net-(D10-Pad2) on Bottom: 197.29,110.44 197.3,110.87 197.35,111.23 197.42,111.54 197.5,111.81 197.59,112.06 197.68,112.3 197.77,112.55 197.85,112.83 197.91,113.15 197.95,113.52 195.99,114.38 195.21,112.38 195.44,112.19 195.65,112.03 195.85,111.88 196.03,111.74 196.19,111.6 196.33,111.44 196.44,111.25 196.52,111.03 196.57,110.77 196.59,110.44
